# Altium PCB nRF52840-kit.PcbDoc (part 3 of 5)
Units mm, origin at the board's own origin, x right, y up, seen from the top; angles counter-clockwise.
Board outline 48 x 29.82 mm, 4 copper layers (Top Layer, Mid-Layer 1, Mid-Layer 2, Bottom Layer), stack 1.505 mm thick; 383 components, 85 nets, 1399 pads, 1434 vias.
Unrouted connection lines stored in the file: 8.
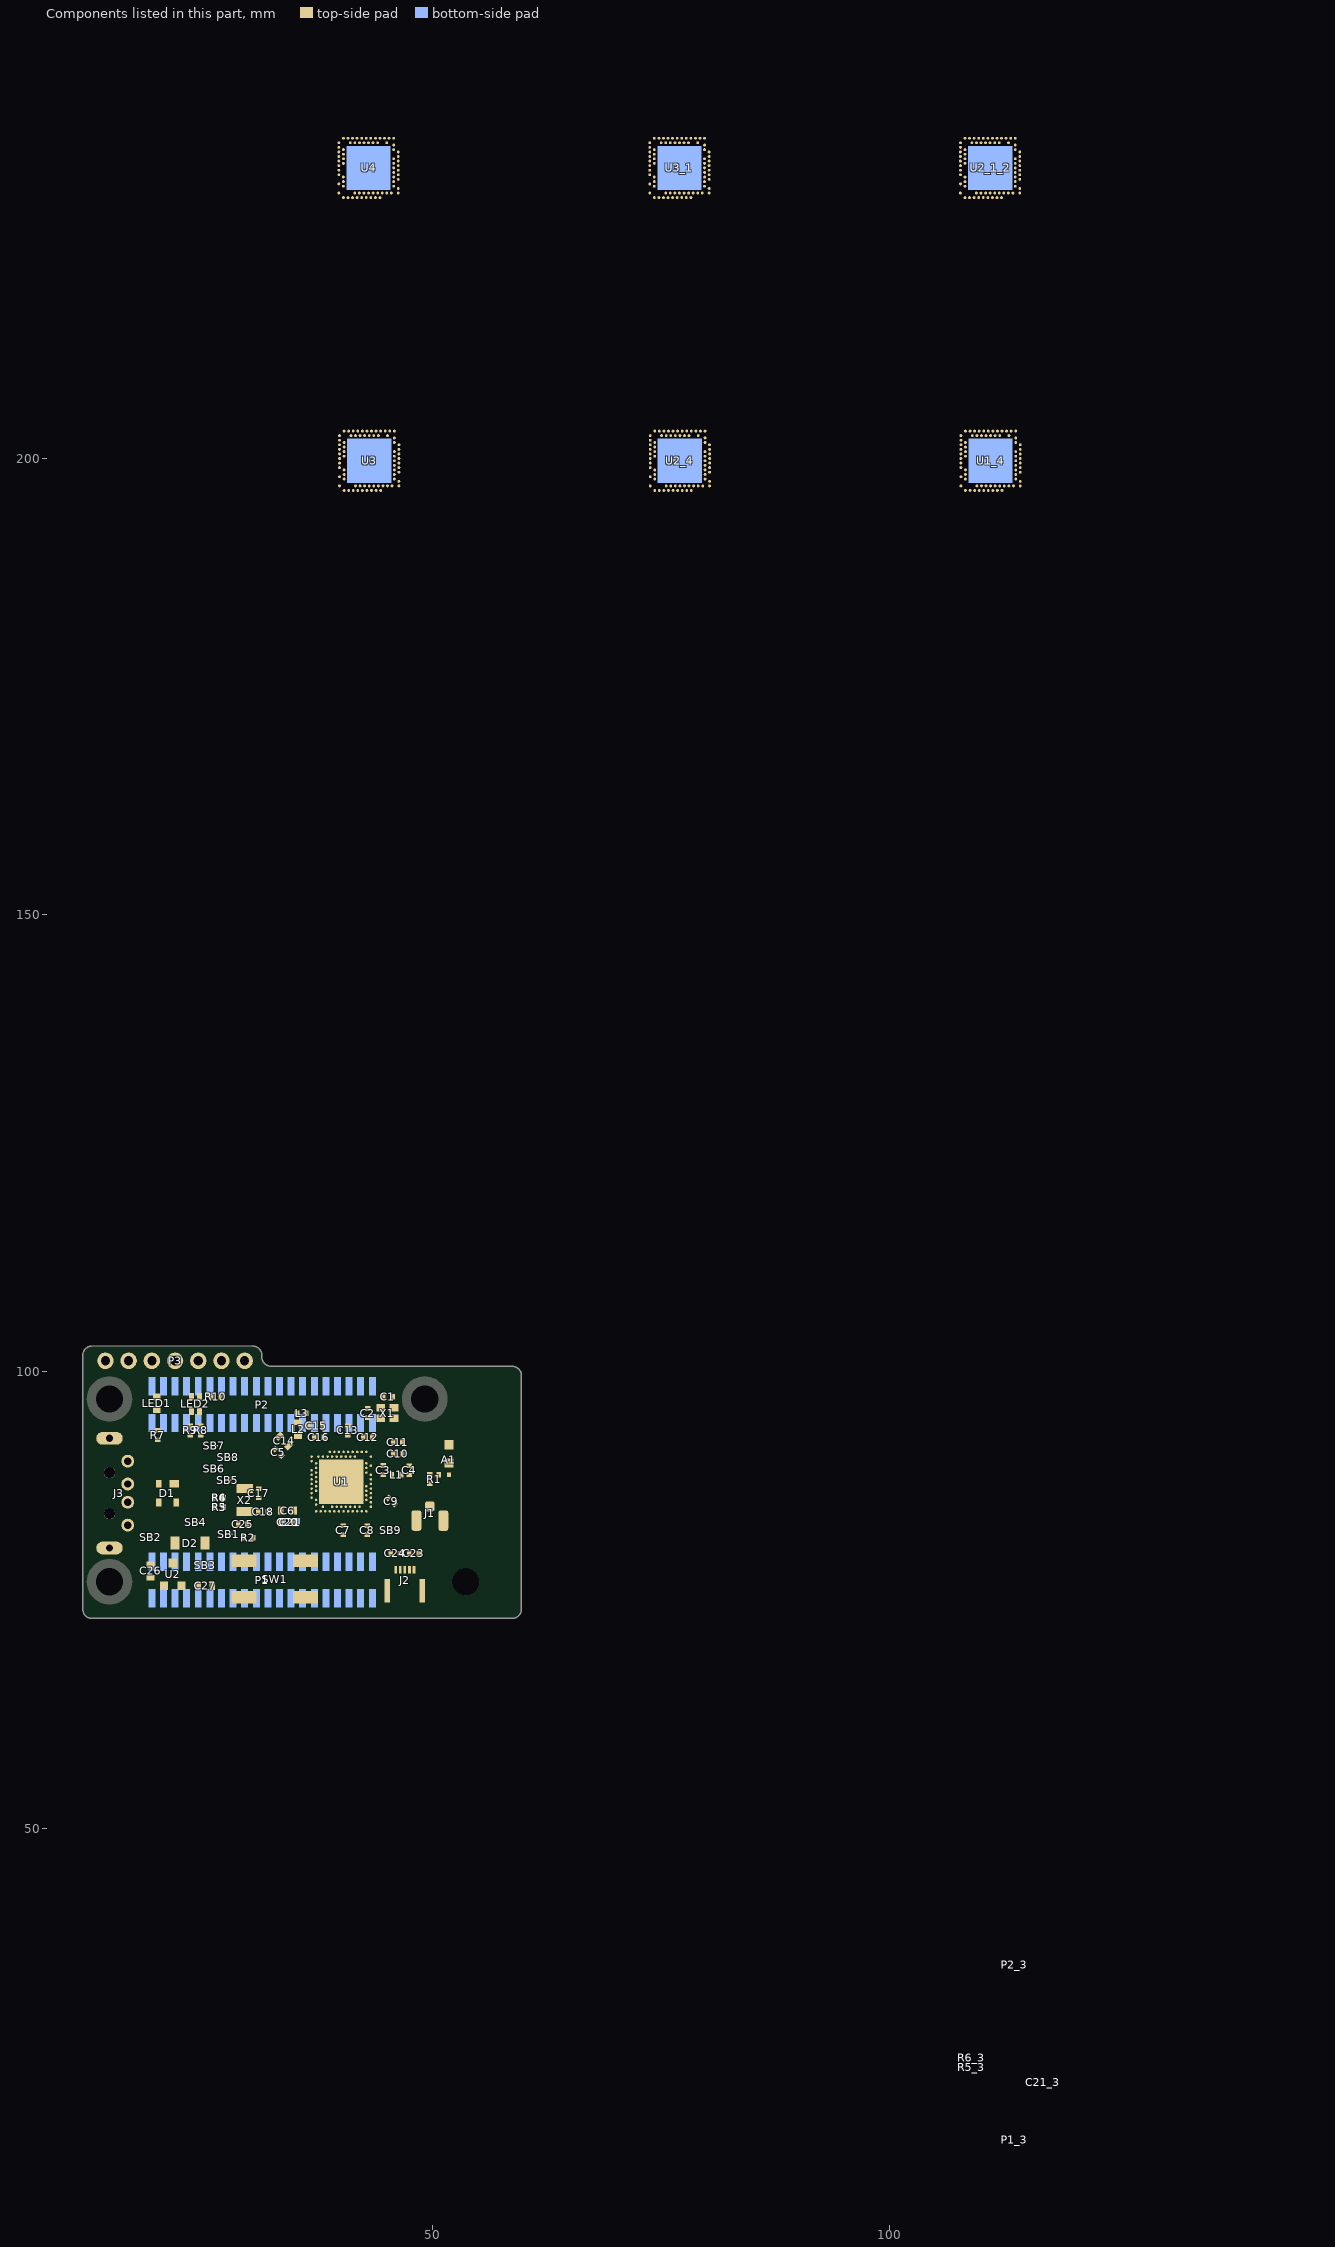
[diagram p5: the components of this part, seen from the top]

## Via types
v1: diameter 0.6, hole 0.3, Top Layer to Bottom Layer, tented both sides, 828 vias
v2: diameter 0.45, hole 0.2, Top Layer to Bottom Layer, tented both sides, 384 vias
v3: diameter 0.4, hole 0.2, Top Layer to Bottom Layer, tented bottom, 126 vias
v4: diameter 0.61, hole 0.305, Top Layer to Bottom Layer, tented bottom, 96 vias

## Nets (pads, with @x,y where several pads share a name; then routed paths per layer and width w, separated by ;. In a path a pad name is that pad's centre, name@x,y a point inside that pad or via, vN(x,y) a via of type N, cw(c..) or ccw(c..) an arc to the next point about the centre after c; other vN are vias at no path point) (continued)
copper on no net: | length 4824.6
  Top Layer w0.127: 29.374,23.661 29.419,23.616 30.881,23.616 31.914,24.649 v2(31.914,24.657) ; 29.374,26.161 30.911,26.161 30.923,26.173 v2(31.779,26.173) v2@31.787,26.181 ; 30.049,145.461 30.094,145.416 31.556,145.416 32.589,146.449 v2(32.589,146.457) ; 30.049,147.961 31.586,147.961 31.598,147.973 v2(32.454,147.973) v2@32.462,147.981 ; v2(35.216,28.721) 35.343,28.594 37.022,28.594 37.19,28.426 37.19,28.504 ; v2(35.597,29.229) 35.978,28.848 37.113,28.848 37.19,28.926 37.19,28.848 ; v2(35.891,150.521) 36.018,150.394 37.697,150.394 37.865,150.226 37.865,150.304 ; v2(36.272,151.029) 36.653,150.648 37.788,150.648 37.865,150.726 37.865,150.648 ; 111.246,145.375 111.291,145.33 112.753,145.33 113.786,146.363 v2(113.786,146.371) ; 111.246,147.875 112.783,147.875 112.795,147.887 v2(113.651,147.887) v2@113.659,147.895 ; 111.671,84.8 111.716,84.755 113.178,84.755 114.211,85.788 v2(114.211,85.796) ; 111.671,87.3 113.208,87.3 113.22,87.312 v2(114.076,87.312) v2@114.084,87.32 ; 111.709,23.436 111.754,23.391 113.216,23.391 114.249,24.424 v2(114.249,24.432) ; 111.709,25.936 113.246,25.936 113.258,25.948 v2(114.114,25.948) v2@114.122,25.956 ; v2(117.088,150.435) 117.215,150.308 118.894,150.308 119.062,150.14 119.062,150.218 ; v2(117.469,150.943) 117.85,150.562 118.985,150.562 119.062,150.64 119.062,150.562 ; v2(117.513,89.86) 117.64,89.733 119.319,89.733 119.487,89.565 119.487,89.643 ; v2(117.551,28.496) 117.678,28.369 119.357,28.369 119.525,28.201 119.525,28.279 ; v2(117.894,90.368) 118.275,89.987 119.41,89.987 119.487,90.065 119.487,89.987 ; v2(117.932,29.004) 118.313,28.623 119.448,28.623 119.525,28.701 119.525,28.623
  Top Layer w0.152: 19.765,34.796 19.765,32.607 19.849,32.523 ; 19.849,31.523 24.318,27.055 27.026,27.055 27.201,27.055 ; 20.44,156.596 20.44,154.407 20.524,154.323 ; 20.524,153.323 24.993,148.855 27.701,148.855 27.876,148.855 ; 21.754,40.151 24.505,37.4 29.077,37.4 v2(30.644,35.833) ; v1(22.389,31.134) 23.281,32.026 23.4,32.026 ; 22.429,161.951 25.18,159.2 29.752,159.2 v2(31.319,157.633) ; v1(23.064,152.934) 23.956,153.826 24.075,153.826 ; 23.4,33.026 23.533,33.159 23.533,34.631 ; 24.075,154.826 24.208,154.959 24.208,156.431 ; 24.433,34.631 24.433,33.136 24.543,33.026 ; 24.433,36.231 25.672,36.231 25.694,36.209 ; 24.543,32.026 24.543,29.517 25.586,28.474 25.735,28.325 ; 25.108,156.431 25.108,154.936 25.218,154.826 ; 25.108,158.031 26.347,158.031 26.369,158.009 ; 25.218,153.826 25.218,151.317 26.261,150.274 26.41,150.125 ; v2(25.564,34.944) 28.307,32.201 28.307,30.865 ; v2(26.239,156.744) 28.982,154.001 28.982,152.665 ; 26.36,28.325 26.409,28.373 26.532,28.373 v1(26.834,28.373) ; 26.36,30.865 26.534,30.865 28.307,30.865 ; 26.694,36.209 26.064,35.579 25.564,35.579 25.056,35.071 25.056,34.436 25.183,34.309 25.183,31.515 24.998,31.331 24.998,30.049 25.453,29.595 27.085,29.595 27.259,29.595 ; v2(26.834,34.944) 28.587,33.192 28.587,31.273 33.683,26.176 36.69,26.176 ; 27.035,150.125 27.084,150.173 27.207,150.173 v1(27.509,150.173) ; 27.035,152.665 27.209,152.665 28.982,152.665 ; 27.321,21.172 27.321,20.819 27.321,17.675 v2(29.361,15.635) ; 27.369,158.009 26.739,157.379 26.239,157.379 25.731,156.871 25.731,156.236 25.858,156.109 25.858,153.315 25.673,153.131 25.673,151.849 26.128,151.395 27.76,151.395 27.934,151.395 ; v2(27.509,156.744) 29.262,154.992 29.262,153.073 34.358,147.976 37.365,147.976 ; 27.946,21.172 28.65,21.172 ; 27.996,142.972 27.996,142.619 27.996,139.475 v2(30.036,137.435) ; v2(28.104,34.944) 28.866,34.182 28.866,31.388 33.578,26.676 36.69,26.676 ; 28.49,18.421 28.447,18.378 29.188,18.378 29.296,18.27 29.296,19.623 29.293,19.626 29.293,20.791 28.912,21.172 28.65,21.172 ; 28.621,142.972 29.325,142.972 ; 28.658,22.264 28.658,21.18 28.65,21.172 ; v2(28.779,156.744) 29.541,155.982 29.541,153.188 34.253,148.476 37.365,148.476 ; 29.165,140.221 29.122,140.178 29.863,140.178 29.971,140.07 29.971,141.423 29.968,141.426 29.968,142.591 29.587,142.972 29.325,142.972 ; 29.333,144.064 29.333,142.98 29.325,142.972 ; v2(29.374,31.642) 33.84,27.176 36.69,27.176 ; 29.374,40.151 31.914,37.611 v2(31.914,35.833) ; v2(30.049,153.442) 34.515,148.976 37.365,148.976 ; 30.049,161.951 32.589,159.411 v2(32.589,157.633) ; v2(30.352,19.928) 30.352,20.732 ; v2(30.644,31.642) 30.644,30.866 33.834,27.676 36.69,27.676 ; v2(31.027,141.728) 31.027,142.532 ; v2(31.319,153.442) 31.319,152.666 34.509,149.476 37.365,149.476 ; v2(31.914,31.642) 31.914,29.991 33.729,28.176 36.69,28.176 ; v2(32.589,153.442) 32.589,151.791 34.404,149.976 37.365,149.976 ; v2(35.736,19.826) 35.94,19.826 36.395,20.281 36.953,20.281 38.69,22.018 38.69,23.676 ; v2(36.411,141.626) 36.615,141.626 37.07,142.081 37.628,142.081 39.365,143.818 39.365,145.476 ; 36.69,25.676 33.496,25.676 28.307,30.865 ; v2(36.981,19.826) 39.19,22.035 39.19,23.676 ; v2(37.362,34.939) 38.69,33.611 38.69,30.176 ; 37.365,147.476 34.171,147.476 28.982,152.665 ; v2(37.656,141.626) 39.865,143.835 39.865,145.476 ; v2(38.037,156.739) 39.365,155.411 39.365,151.976 ; v1(38.251,19.851) 38.251,20.701 39.546,21.996 39.546,23.532 39.69,23.676 ; v2(38.505,34.939) 39.038,34.406 39.038,30.328 39.19,30.176 ; v1(38.926,141.651) 38.926,142.501 40.221,143.796 40.221,145.332 40.365,145.476 ; v2(39.18,156.739) 39.713,156.206 39.713,152.128 39.865,151.976 ; v2(39.394,34.939) 39.343,34.888 39.343,30.523 39.69,30.176 ; v2(39.521,16.676) 40.911,18.066 40.911,23.455 40.69,23.676 ; 39.94,26.926 v4(40.54,27.526) 41.44,28.426 42.69,28.426 42.781,28.335 44.195,28.335 44.556,28.696 ; v2(40.069,156.739) 40.018,156.688 40.018,152.323 40.365,151.976 ; 40.19,30.176 39.648,30.718 39.648,34.05 v2(40.537,34.939) ; v2(40.196,138.476) 41.586,139.866 41.586,145.255 41.365,145.476 ; 40.615,148.726 v4(41.215,149.326) 42.115,150.226 43.365,150.226 43.456,150.135 44.87,150.135 45.231,150.496 ; 40.69,30.176 40.69,30.593 40.004,31.28 40.004,33.339 41.604,34.939 v2(41.807,34.939) ; v2(40.791,16.651) 41.19,17.05 41.19,23.676 ; 40.865,151.976 40.323,152.518 40.323,155.85 v2(41.212,156.739) ; 41.365,151.976 41.365,152.393 40.679,153.08 40.679,155.139 42.279,156.739 v2(42.482,156.739) ; v2(41.466,138.451) 41.865,138.85 41.865,145.476 ; 41.69,23.676 41.69,17.022 v2(42.061,16.651) ; 41.69,30.176 41.69,32.181 42.061,32.551 v2(44.169,32.551) ; 42.19,23.676 41.97,23.455 41.97,18.012 v2(43.331,16.651) ; 42.365,145.476 42.365,138.822 v2(42.736,138.451) ; 42.365,151.976 42.365,153.981 42.736,154.351 v2(44.844,154.351) ; v2(42.569,19.674) 42.823,19.674 44.039,20.889 44.039,23.828 43.19,24.676 ; v2(42.594,20.283) 43.026,20.283 43.759,21.016 43.759,23.607 43.19,24.176 ; 42.69,24.926 42.69,24.2 43.306,23.585 v2(43.306,23.153) ; 42.69,27.926 42.795,28.03 44.222,28.03 44.556,27.696 ; 42.69,30.176 43.295,30.176 44.728,31.609 44.728,33.393 44.265,33.856 42.906,33.856 42.831,33.931 ; 42.865,145.476 42.645,145.255 42.645,139.812 v2(44.006,138.451) ; 43.19,25.134 43.19,25.176 44.318,24.048 44.318,22.547 v2@44.449,22.417 ; 43.19,25.676 44.597,24.269 44.597,23.665 v2@44.753,23.509 ; 43.19,26.176 43.276,26.176 45.363,24.089 v2(45.363,23.001) 45.363,22.091 45.363,21.916 ; 43.19,29.676 45.007,31.493 45.007,34.533 45.481,35.006 45.715,35.006 45.558,35.163 45.558,36.234 ; v2(43.244,141.474) 43.498,141.474 44.714,142.689 44.714,145.628 43.865,146.476 ; v2(43.269,142.083) 43.701,142.083 44.434,142.816 44.434,145.407 43.865,145.976 ; 43.331,31.764 44.031,31.764 v2(44.043,31.752) ; 43.365,146.726 43.365,146 43.981,145.385 v2(43.981,144.953) ; 43.365,149.726 43.47,149.83 44.897,149.83 45.231,149.496 ; 43.365,151.976 43.97,151.976 45.403,153.409 45.403,155.193 44.94,155.656 43.581,155.656 43.506,155.731 ; 43.865,146.934 43.865,146.976 44.993,145.848 44.993,144.347 v2@45.124,144.217 ; 43.865,147.476 45.272,146.069 45.272,145.465 v2@45.428,145.309 ; 43.865,147.976 43.951,147.976 46.038,145.889 v2(46.038,144.801) 46.038,143.891 46.038,143.716 ; 43.865,151.476 45.682,153.293 45.682,156.333 46.156,156.806 46.39,156.806 46.233,156.963 46.233,158.034 ; 44.006,153.564 44.706,153.564 v2(44.718,153.552) ; 45.363,20.473 45.363,21.117 45.363,21.292 ; 46.038,142.273 46.038,142.917 46.038,143.092 ; 101.637,156.51 101.637,154.321 101.721,154.237 ; 101.721,153.237 106.19,148.769 108.898,148.769 109.073,148.769 ; 102.062,95.935 102.062,93.746 102.146,93.662 ; 102.1,34.571 102.1,32.382 102.184,32.298 ; 102.146,92.662 106.615,88.194 109.323,88.194 109.498,88.194 ; 102.184,31.298 106.653,26.83 109.361,26.83 109.536,26.83 ; 103.626,161.865 106.377,159.114 110.949,159.114 v2(112.516,157.547) ; 104.051,101.29 106.802,98.539 111.374,98.539 v2(112.941,96.972) ; 104.089,39.926 106.84,37.175 111.412,37.175 v2(112.979,35.608) ; v1(104.261,152.848) 105.153,153.74 105.272,153.74 ; v1(104.686,92.273) 105.578,93.165 105.697,93.165 ; v1(104.724,30.909) 105.616,31.801 105.735,31.801 ; 105.272,154.74 105.405,154.873 105.405,156.345 ; 105.697,94.165 105.83,94.298 105.83,95.77 ; 105.735,32.801 105.868,32.934 105.868,34.406 ; 106.305,156.345 106.305,154.85 106.415,154.74 ; 106.305,157.945 107.544,157.945 107.566,157.923 ; 106.415,153.74 106.415,151.231 107.458,150.188 107.607,150.039 ; 106.73,95.77 106.73,94.275 106.84,94.165 ; 106.73,97.37 107.969,97.37 107.991,97.348 ; 106.768,34.406 106.768,32.911 106.878,32.801 ; 106.768,36.006 108.007,36.006 108.029,35.984 ; 106.84,93.165 106.84,90.656 107.883,89.613 108.032,89.464 ; 106.878,31.801 106.878,29.292 107.921,28.249 108.07,28.1 ; v2(107.436,156.658) 110.179,153.915 110.179,152.579 ; v2(107.861,96.083) 110.604,93.34 110.604,92.004 ; v2(107.899,34.719) 110.642,31.976 110.642,30.64 ; 108.232,150.039 108.281,150.087 108.404,150.087 v1(108.706,150.087) ; 108.232,152.579 108.406,152.579 110.179,152.579 ; 108.566,157.923 107.936,157.293 107.436,157.293 106.928,156.785 106.928,156.15 107.055,156.023 107.055,153.229 106.87,153.045 106.87,151.763 107.325,151.309 108.957,151.309 109.131,151.309 ; 108.657,89.464 108.706,89.512 108.829,89.512 v1(109.131,89.512) ; 108.657,92.004 108.831,92.004 110.604,92.004 ; 108.695,28.1 108.744,28.148 108.867,28.148 v1(109.169,28.148) ; 108.695,30.64 108.869,30.64 110.642,30.64 ; v2(108.706,156.658) 110.459,154.906 110.459,152.987 115.555,147.89 118.562,147.89 ; 108.991,97.348 108.361,96.718 107.861,96.718 107.353,96.21 107.353,95.575 107.48,95.448 107.48,92.654 107.295,92.47 107.295,91.188 107.75,90.734 109.382,90.734 109.556,90.734 ; 109.029,35.984 108.399,35.354 107.899,35.354 107.391,34.846 107.391,34.211 107.518,34.084 107.518,31.29 107.333,31.106 107.333,29.824 107.788,29.37 109.42,29.37 109.594,29.37 ; v2(109.131,96.083) 110.884,94.331 110.884,92.412 115.98,87.315 118.987,87.315 ; v2(109.169,34.719) 110.922,32.967 110.922,31.048 116.018,25.951 119.025,25.951 ; 109.193,142.886 109.193,142.533 109.193,139.389 v2(111.233,137.349) ; 109.618,82.311 109.618,81.958 109.618,78.814 v2(111.658,76.774) ; 109.656,20.947 109.656,20.594 109.656,17.45 v2(111.696,15.41) ; 109.818,142.886 110.522,142.886 ; v2(109.976,156.658) 110.738,155.896 110.738,153.102 115.45,148.39 118.562,148.39 ; 110.243,82.311 110.947,82.311 ; 110.281,20.947 110.985,20.947 ; 110.362,140.135 110.319,140.092 111.06,140.092 111.168,139.984 111.168,141.337 111.165,141.34 111.165,142.505 110.784,142.886 110.522,142.886 ; v2(110.401,96.083) 111.163,95.321 111.163,92.527 115.875,87.815 118.987,87.815 ; v2(110.439,34.719) 111.201,33.957 111.201,31.163 115.913,26.451 119.025,26.451 ; 110.53,143.978 110.53,142.894 110.522,142.886 ; 110.787,79.56 110.744,79.517 111.485,79.517 111.593,79.409 111.593,80.762 111.59,80.765 111.59,81.93 111.209,82.311 110.947,82.311 ; 110.825,18.196 110.782,18.153 111.523,18.153 111.631,18.045 111.631,19.398 111.628,19.401 111.628,20.566 111.247,20.947 110.985,20.947 ; 110.955,83.403 110.955,82.319 110.947,82.311 ; 110.993,22.039 110.993,20.955 110.985,20.947 ; v2(111.246,153.356) 115.712,148.89 118.562,148.89 ; 111.246,161.865 113.786,159.325 v2(113.786,157.547) ; v2(111.671,92.781) 116.137,88.315 118.987,88.315 ; 111.671,101.29 114.211,98.75 v2(114.211,96.972) ; v2(111.709,31.417) 116.175,26.951 119.025,26.951 ; 111.709,39.926 114.249,37.386 v2(114.249,35.608) ; v2(112.224,141.642) 112.224,142.446 ; v2(112.516,153.356) 112.516,152.58 115.706,149.39 118.562,149.39 ; v2(112.649,81.067) 112.649,81.871 ; v2(112.687,19.703) 112.687,20.507 ; v2(112.941,92.781) 112.941,92.005 116.131,88.815 118.987,88.815 ; v2(112.979,31.417) 112.979,30.641 116.169,27.451 119.025,27.451 ; v2(113.786,153.356) 113.786,151.705 115.601,149.89 118.562,149.89 ; v2(114.211,92.781) 114.211,91.13 116.026,89.315 118.987,89.315 ; v2(114.249,31.417) 114.249,29.766 116.064,27.951 119.025,27.951 ; v2(117.608,141.54) 117.812,141.54 118.267,141.995 118.825,141.995 120.562,143.732 120.562,145.39 ; v2(118.033,80.965) 118.237,80.965 118.692,81.42 119.25,81.42 120.987,83.157 120.987,84.815 ; v2(118.071,19.601) 118.275,19.601 118.73,20.056 119.288,20.056 121.025,21.793 121.025,23.451 ; 118.562,147.39 115.368,147.39 110.179,152.579 ; v2(118.853,141.54) 121.062,143.749 121.062,145.39 ; 118.987,86.815 115.793,86.815 110.604,92.004 ; 119.025,25.451 115.831,25.451 110.642,30.64 ; v2(119.234,156.653) 120.562,155.325 120.562,151.89 ; v2(119.278,80.965) 121.487,83.174 121.487,84.815 ; v2(119.316,19.601) 121.525,21.81 121.525,23.451 ; v2(119.659,96.078) 120.987,94.75 120.987,91.315 ; v2(119.697,34.714) 121.025,33.386 121.025,29.951 ; v1(120.123,141.565) 120.123,142.415 121.418,143.71 121.418,145.246 121.562,145.39 ; v2(120.377,156.653) 120.91,156.12 120.91,152.042 121.062,151.89 ; v1(120.548,80.99) 120.548,81.84 121.843,83.135 121.843,84.671 121.987,84.815 ; v1(120.586,19.626) 120.586,20.476 121.881,21.771 121.881,23.307 122.025,23.451 ; v2(120.802,96.078) 121.335,95.545 121.335,91.467 121.487,91.315 ; v2(120.84,34.714) 121.373,34.181 121.373,30.103 121.525,29.951 ; v2(121.266,156.653) 121.215,156.602 121.215,152.237 121.562,151.89 ; v2(121.393,138.39) 122.783,139.78 122.783,145.169 122.562,145.39 ; v2(121.691,96.078) 121.64,96.027 121.64,91.662 121.987,91.315 ; v2(121.729,34.714) 121.678,34.663 121.678,30.298 122.025,29.951 ; 121.812,148.64 v4(122.412,149.24) 123.312,150.14 124.562,150.14 124.653,150.049 126.067,150.049 126.428,150.41 ; v2(121.818,77.815) 123.208,79.205 123.208,84.594 122.987,84.815 ; v2(121.856,16.451) 123.246,17.841 123.246,23.23 123.025,23.451 ; 122.062,151.89 121.52,152.432 121.52,155.764 v2(122.409,156.653) ; 122.237,88.065 v4(122.837,88.665) 123.737,89.565 124.987,89.565 125.078,89.474 126.492,89.474 126.853,89.835 ; 122.275,26.701 v4(122.875,27.301) 123.775,28.201 125.025,28.201 125.116,28.11 126.53,28.11 126.891,28.471 ; 122.487,91.315 121.945,91.857 121.945,95.189 v2(122.834,96.078) ; 122.525,29.951 121.983,30.493 121.983,33.825 v2(122.872,34.714) ; 122.562,151.89 122.562,152.307 121.876,152.994 121.876,155.053 123.476,156.653 v2(123.679,156.653) ; v2(122.663,138.365) 123.062,138.764 123.062,145.39 ; 122.987,91.315 122.987,91.732 122.301,92.419 122.301,94.478 123.901,96.078 v2(124.104,96.078) ; 123.025,29.951 123.025,30.368 122.339,31.055 122.339,33.114 123.939,34.714 v2(124.142,34.714) ; v2(123.088,77.79) 123.487,78.189 123.487,84.815 ; v2(123.126,16.426) 123.525,16.825 123.525,23.451 ; 123.562,145.39 123.562,138.736 v2(123.933,138.365) ; 123.562,151.89 123.562,153.895 123.933,154.265 v2(126.041,154.265) ; 123.987,84.815 123.987,78.161 v2(124.358,77.79) ; 123.987,91.315 123.987,93.32 124.358,93.69 v2(126.466,93.69) ; 124.025,23.451 124.025,16.797 v2(124.396,16.426) ; 124.025,29.951 124.025,31.956 124.396,32.326 v2(126.504,32.326) ; 124.062,145.39 123.842,145.169 123.842,139.726 v2(125.203,138.365) ; v2(124.441,141.388) 124.695,141.388 125.911,142.603 125.911,145.542 125.062,146.39 ; v2(124.466,141.997) 124.898,141.997 125.631,142.73 125.631,145.321 125.062,145.89 ; 124.487,84.815 124.267,84.594 124.267,79.151 v2(125.628,77.79) ; 124.525,23.451 124.305,23.23 124.305,17.787 v2(125.666,16.426) ; 124.562,146.64 124.562,145.914 125.178,145.299 v2(125.178,144.867) ; 124.562,149.64 124.667,149.744 126.094,149.744 126.428,149.41 ; 124.562,151.89 125.167,151.89 126.6,153.323 126.6,155.107 126.137,155.57 124.778,155.57 124.703,155.645 ; v2(124.866,80.813) 125.12,80.813 126.336,82.028 126.336,84.967 125.487,85.815 ; v2(124.891,81.422) 125.323,81.422 126.056,82.155 126.056,84.746 125.487,85.315 ; v2(124.904,19.449) 125.158,19.449 126.374,20.664 126.374,23.603 125.525,24.451 ; v2(124.929,20.058) 125.361,20.058 126.094,20.791 126.094,23.382 125.525,23.951 ; 124.987,86.065 124.987,85.339 125.603,84.724 v2(125.603,84.292) ; 124.987,89.065 125.092,89.169 126.519,89.169 126.853,88.835 ; 124.987,91.315 125.592,91.315 127.025,92.748 127.025,94.532 126.562,94.995 125.203,94.995 125.128,95.07 ; 125.025,24.701 125.025,23.975 125.641,23.36 v2(125.641,22.928) ; 125.025,27.701 125.13,27.805 126.557,27.805 126.891,27.471 ; 125.025,29.951 125.63,29.951 127.063,31.384 127.063,33.168 126.6,33.631 125.241,33.631 125.166,33.706 ; 125.062,146.848 125.062,146.89 126.19,145.762 126.19,144.261 v2@126.321,144.131 ; 125.062,147.39 126.469,145.983 126.469,145.379 v2@126.625,145.223 ; 125.062,147.89 125.148,147.89 127.235,145.803 v2(127.235,144.715) 127.235,143.805 127.235,143.63 ; 125.062,151.39 126.879,153.207 126.879,156.247 127.353,156.72 127.587,156.72 127.43,156.877 127.43,157.948 ; 125.203,153.478 125.903,153.478 v2(125.915,153.466) ; 125.487,86.273 125.487,86.315 126.615,85.187 126.615,83.686 v2@126.746,83.556 ; 125.487,86.815 126.894,85.408 126.894,84.804 v2@127.05,84.648 ; 125.487,87.315 125.573,87.315 127.66,85.228 v2(127.66,84.14) 127.66,83.23 127.66,83.055 ; 125.487,90.815 127.304,92.632 127.304,95.672 127.778,96.145 128.012,96.145 127.855,96.302 127.855,97.373 ; 125.525,24.909 125.525,24.951 126.653,23.823 126.653,22.322 v2@126.784,22.192 ; 125.525,25.451 126.932,24.044 126.932,23.44 v2@127.088,23.284 ; 125.525,25.951 125.611,25.951 127.698,23.864 v2(127.698,22.776) 127.698,21.866 127.698,21.691 ; 125.525,29.451 127.342,31.268 127.342,34.308 127.816,34.781 128.05,34.781 127.893,34.938 127.893,36.009 ; 125.628,92.903 126.328,92.903 v2(126.34,92.891) ; 125.666,31.539 126.366,31.539 v2(126.378,31.527) ; 127.235,142.187 127.235,142.831 127.235,143.006 ; 127.66,81.612 127.66,82.256 127.66,82.431 ; 127.698,20.248 127.698,20.892 127.698,21.067
  Top Layer w0.203: 16.579,24.668 cw(c18.586,22.661) 18.586,25.499 18.693,25.499 cw(c18.693,24.466) 19.423,25.197 ; 16.579,26.668 ccw(c18.542,28.631) 18.542,25.855 18.693,25.855 ccw(c18.693,26.888) 19.423,26.157 19.968,26.702 20.25,26.42 ccw(c21.614,27.783) 21.614,25.855 cw(c21.614,23.865) 23.021,25.272 23.135,25.157 ccw(c23.926,25.948) 23.926,24.83 25.414,24.83 ccw(c25.414,25.61) 25.965,25.058 26.067,25.16 ; 17.254,146.468 cw(c19.261,144.461) 19.261,147.299 19.368,147.299 cw(c19.368,146.266) 20.098,146.997 ; 17.254,148.468 ccw(c19.217,150.431) 19.217,147.655 19.368,147.655 ccw(c19.368,148.688) 20.098,147.957 20.643,148.502 20.925,148.22 ccw(c22.289,149.583) 22.289,147.655 cw(c22.289,145.665) 23.696,147.072 23.81,146.957 ccw(c24.601,147.748) 24.601,146.63 26.089,146.63 ccw(c26.089,147.41) 26.64,146.858 26.742,146.96 ; 19.423,25.197 19.968,24.652 20.25,24.934 cw(c21.614,23.571) 21.614,25.499 cw(c21.614,23.865) 22.769,25.021 22.884,24.906 ccw(c23.926,25.948) 23.926,24.474 25.414,24.474 cw(c25.414,23.694) 25.965,24.246 26.067,24.144 ; 19.765,36.193 20.251,36.193 v1(20.865,35.579) ; 20.098,146.997 20.643,146.452 20.925,146.734 cw(c22.289,145.371) 22.289,147.299 cw(c22.289,145.665) 23.444,146.821 23.559,146.706 ccw(c24.601,147.748) 24.601,146.274 26.089,146.274 cw(c26.089,145.494) 26.64,146.046 26.742,145.944 ; 20.44,157.993 20.926,157.993 v1(21.54,157.379) ; v1(22.643,35.706) 23.168,36.231 23.533,36.231 ; v1(23.318,157.506) 23.843,158.031 24.208,158.031 ; 30.293,20.791 30.352,20.732 ; 30.968,142.591 31.027,142.532 ; 33.411,29.765 33.438,29.737 36.075,29.737 36.637,29.176 36.69,29.176 ; 34.086,151.565 34.113,151.537 36.75,151.537 37.312,150.976 37.365,150.976 ; v1(34.314,20.461) 34.341,20.488 cw(c34.797,20.033) 34.797,20.677 35.047,20.677 ccw(c35.047,23.217) 36.844,21.421 37.645,22.222 ccw(c36.502,23.365) 38.118,23.365 ccw(c37.944,23.539) 38.19,23.539 38.19,23.676 ; v1(34.314,21.248) 34.341,21.221 ccw(c34.797,21.676) 34.797,21.033 ccw(c34.797,23.823) 36.769,21.85 37.393,22.474 ccw(c36.502,23.365) 37.763,23.365 cw(c37.937,23.539) 37.69,23.539 37.69,23.676 ; 34.818,22.493 36.367,24.042 37.806,24.042 37.94,24.176 ; v1(34.989,142.261) 35.016,142.288 cw(c35.472,141.833) 35.472,142.477 35.722,142.477 ccw(c35.722,145.017) 37.519,143.221 38.32,144.022 ccw(c37.177,145.165) 38.793,145.165 ccw(c38.619,145.339) 38.865,145.339 38.865,145.476 ; v1(34.989,143.048) 35.016,143.021 ccw(c35.472,143.476) 35.472,142.833 ccw(c35.472,145.623) 37.444,143.65 38.068,144.274 ccw(c37.177,145.165) 38.438,145.165 cw(c38.612,145.339) 38.365,145.339 38.365,145.476 ; 35.1,34.431 35.1,33.514 35.211,33.403 ; 35.211,31.903 35.213,31.903 37.44,29.676 ; 35.493,144.293 37.042,145.842 38.481,145.842 38.615,145.976 ; 35.775,156.231 35.775,155.314 35.886,155.203 ; 35.886,153.703 35.888,153.703 38.115,151.476 ; v1(35.948,22.493) 36.007,22.493 37.19,23.676 ; 36.1,34.431 36.447,34.084 36.447,33.053 36.447,32.314 36.997,31.764 36.997,30.673 37.94,29.73 37.94,29.676 ; v1(36.623,144.293) 36.682,144.293 37.865,145.476 ; 36.775,156.231 37.122,155.884 37.122,154.853 37.122,154.114 37.672,153.564 37.672,152.473 38.615,151.53 38.615,151.476 ; 40.164,22.104 40.19,22.13 40.19,23.676 ; 40.839,143.904 40.865,143.93 40.865,145.476 ; v2(42.493,22.645) 42.806,22.645 ; 42.69,23.676 42.806,23.561 42.806,22.645 ; 42.69,28.926 42.832,29.068 43.135,29.068 45.324,31.256 45.633,31.256 ; 42.806,22.104 42.806,22.645 ; v2(43.168,144.445) 43.481,144.445 ; 43.19,26.676 43.284,26.676 44.802,25.158 ; 43.19,28.676 43.349,28.676 44.659,29.986 45.633,29.986 ; 43.365,145.476 43.481,145.361 43.481,144.445 ; 43.365,150.726 43.507,150.868 43.81,150.868 45.999,153.056 46.308,153.056 ; 43.481,143.904 43.481,144.445 ; 43.865,148.476 43.959,148.476 45.477,146.958 ; 43.865,150.476 44.024,150.476 45.334,151.786 46.308,151.786 ; 98.451,146.382 cw(c100.458,144.375) 100.458,147.213 100.565,147.213 cw(c100.565,146.18) 101.295,146.911 101.84,146.366 102.122,146.648 cw(c103.486,145.285) 103.486,147.213 cw(c103.486,145.579) 104.641,146.735 104.756,146.62 ccw(c105.798,147.662) 105.798,146.188 107.286,146.188 cw(c107.286,145.408) 107.837,145.96 107.939,145.858 ; 98.451,148.382 ccw(c100.414,150.345) 100.414,147.569 100.565,147.569 ccw(c100.565,148.602) 101.295,147.871 101.84,148.416 102.122,148.134 ccw(c103.486,149.497) 103.486,147.569 cw(c103.486,145.579) 104.893,146.986 105.007,146.871 ccw(c105.798,147.662) 105.798,146.544 107.286,146.544 ccw(c107.286,147.324) 107.837,146.772 107.939,146.874 ; 98.876,85.807 cw(c100.883,83.8) 100.883,86.638 100.99,86.638 cw(c100.99,85.605) 101.72,86.336 102.265,85.791 102.547,86.073 cw(c103.911,84.71) 103.911,86.638 cw(c103.911,85.004) 105.066,86.16 105.181,86.045 ccw(c106.223,87.087) 106.223,85.613 107.711,85.613 cw(c107.711,84.833) 108.262,85.385 108.364,85.283 ; 98.876,87.807 ccw(c100.839,89.77) 100.839,86.994 100.99,86.994 ccw(c100.99,88.027) 101.72,87.296 102.265,87.841 102.547,87.559 ccw(c103.911,88.922) 103.911,86.994 cw(c103.911,85.004) 105.318,86.411 105.432,86.296 ccw(c106.223,87.087) 106.223,85.969 107.711,85.969 ccw(c107.711,86.749) 108.262,86.197 108.364,86.299 ; 98.914,24.443 cw(c100.921,22.436) 100.921,25.274 101.028,25.274 cw(c101.028,24.241) 101.758,24.972 102.303,24.427 102.585,24.709 cw(c103.949,23.346) 103.949,25.274 cw(c103.949,23.64) 105.104,24.796 105.219,24.681 ccw(c106.261,25.723) 106.261,24.249 107.749,24.249 cw(c107.749,23.469) 108.3,24.021 108.402,23.919 ; 98.914,26.443 ccw(c100.877,28.406) 100.877,25.63 101.028,25.63 ccw(c101.028,26.663) 101.758,25.932 102.303,26.477 102.585,26.195 ccw(c103.949,27.558) 103.949,25.63 cw(c103.949,23.64) 105.356,25.047 105.47,24.932 ccw(c106.261,25.723) 106.261,24.605 107.749,24.605 ccw(c107.749,25.385) 108.3,24.833 108.402,24.935 ; 101.637,157.907 102.123,157.907 v1(102.737,157.293) ; 102.062,97.332 102.548,97.332 v1(103.162,96.718) ; 102.1,35.968 102.586,35.968 v1(103.2,35.354) ; v1(104.515,157.42) 105.04,157.945 105.405,157.945 ; v1(104.94,96.845) 105.465,97.37 105.83,97.37 ; v1(104.978,35.481) 105.503,36.006 105.868,36.006 ; 112.165,142.505 112.224,142.446 ; 112.59,81.93 112.649,81.871 ; 112.628,20.566 112.687,20.507 ; 115.283,151.479 115.31,151.451 117.947,151.451 118.509,150.89 118.562,150.89 ; 115.708,90.904 115.735,90.876 118.372,90.876 118.934,90.315 118.987,90.315 ; 115.746,29.54 115.773,29.512 118.41,29.512 118.972,28.951 119.025,28.951 ; v1(116.186,142.175) 116.213,142.202 cw(c116.669,141.747) 116.669,142.391 116.919,142.391 ccw(c116.919,144.931) 118.716,143.135 119.517,143.936 ccw(c118.374,145.079) 119.99,145.079 ccw(c119.816,145.253) 120.062,145.253 120.062,145.39 ; v1(116.186,142.962) 116.213,142.935 ccw(c116.669,143.39) 116.669,142.747 ccw(c116.669,145.537) 118.641,143.564 119.265,144.188 ccw(c118.374,145.079) 119.635,145.079 cw(c119.809,145.253) 119.562,145.253 119.562,145.39 ; v1(116.611,81.6) 116.638,81.627 cw(c117.094,81.172) 117.094,81.816 117.344,81.816 ccw(c117.344,84.356) 119.141,82.56 119.942,83.361 ccw(c118.799,84.504) 120.415,84.504 ccw(c120.241,84.678) 120.487,84.678 120.487,84.815 ; v1(116.611,82.387) 116.638,82.36 ccw(c117.094,82.815) 117.094,82.172 ccw(c117.094,84.962) 119.066,82.989 119.69,83.613 ccw(c118.799,84.504) 120.06,84.504 cw(c120.234,84.678) 119.987,84.678 119.987,84.815 ; v1(116.649,20.236) 116.676,20.263 cw(c117.132,19.808) 117.132,20.452 117.382,20.452 ccw(c117.382,22.992) 119.179,21.196 119.98,21.997 ccw(c118.837,23.14) 120.453,23.14 ccw(c120.279,23.314) 120.525,23.314 120.525,23.451 ; v1(116.649,21.023) 116.676,20.996 ccw(c117.132,21.451) 117.132,20.808 ccw(c117.132,23.598) 119.104,21.625 119.728,22.249 ccw(c118.837,23.14) 120.098,23.14 cw(c120.272,23.314) 120.025,23.314 120.025,23.451 ; 116.69,144.207 118.239,145.756 119.678,145.756 119.812,145.89 ; 116.972,156.145 116.972,155.228 117.083,155.117 ; 117.083,153.617 117.085,153.617 119.312,151.39 ; 117.115,83.632 118.664,85.181 120.103,85.181 120.237,85.315 ; 117.153,22.268 118.702,23.817 120.141,23.817 120.275,23.951 ; 117.397,95.57 117.397,94.653 117.508,94.542 ; 117.435,34.206 117.435,33.289 117.546,33.178 ; 117.508,93.042 117.51,93.042 119.737,90.815 ; 117.546,31.678 117.548,31.678 119.775,29.451 ; v1(117.82,144.207) 117.879,144.207 119.062,145.39 ; 117.972,156.145 118.319,155.798 118.319,154.767 118.319,154.028 118.869,153.478 118.869,152.387 119.812,151.444 119.812,151.39 ; v1(118.245,83.632) 118.304,83.632 119.487,84.815 ; v1(118.283,22.268) 118.342,22.268 119.525,23.451 ; 118.397,95.57 118.744,95.223 118.744,94.192 118.744,93.453 119.294,92.903 119.294,91.812 120.237,90.869 120.237,90.815 ; 118.435,34.206 118.782,33.859 118.782,32.828 118.782,32.089 119.332,31.539 119.332,30.448 120.275,29.505 120.275,29.451 ; 122.036,143.818 122.062,143.844 122.062,145.39 ; 122.461,83.243 122.487,83.269 122.487,84.815 ; 122.499,21.879 122.525,21.905 122.525,23.451 ; v2(124.365,144.359) 124.678,144.359 ; 124.562,145.39 124.678,145.275 124.678,144.359 ; 124.562,150.64 124.704,150.782 125.007,150.782 127.196,152.97 127.505,152.97 ; 124.678,143.818 124.678,144.359 ; v2(124.79,83.784) 125.103,83.784 ; v2(124.828,22.42) 125.141,22.42 ; 124.987,84.815 125.103,84.7 125.103,83.784 ; 124.987,90.065 125.129,90.207 125.432,90.207 127.621,92.395 127.93,92.395 ; 125.025,23.451 125.141,23.336 125.141,22.42 ; 125.025,28.701 125.167,28.843 125.47,28.843 127.659,31.031 127.968,31.031 ; 125.062,148.39 125.156,148.39 126.674,146.872 ; 125.062,150.39 125.221,150.39 126.531,151.7 127.505,151.7 ; 125.103,83.243 125.103,83.784 ; 125.141,21.879 125.141,22.42 ; 125.487,87.815 125.581,87.815 127.099,86.297 ; 125.487,89.815 125.646,89.815 126.956,91.125 127.93,91.125 ; 125.525,26.451 125.619,26.451 127.137,24.933 ; 125.525,28.451 125.684,28.451 126.994,29.761 127.968,29.761 ; 44.802,25.158 44.827,25.133 45.035,25.133 45.06,25.158 44.802,25.158 ; 45.477,146.958 45.735,146.958 45.71,146.933 45.502,146.933 45.477,146.958 ; 126.674,146.872 126.932,146.872 126.907,146.847 126.699,146.847 126.674,146.872 ; 127.099,86.297 127.124,86.272 127.332,86.272 127.357,86.297 127.099,86.297 ; 127.137,24.933 127.162,24.908 127.37,24.908 127.395,24.933 127.137,24.933